# Altium PCB BPod Panel Due.PcbDoc (part 3 of 5) (continued)
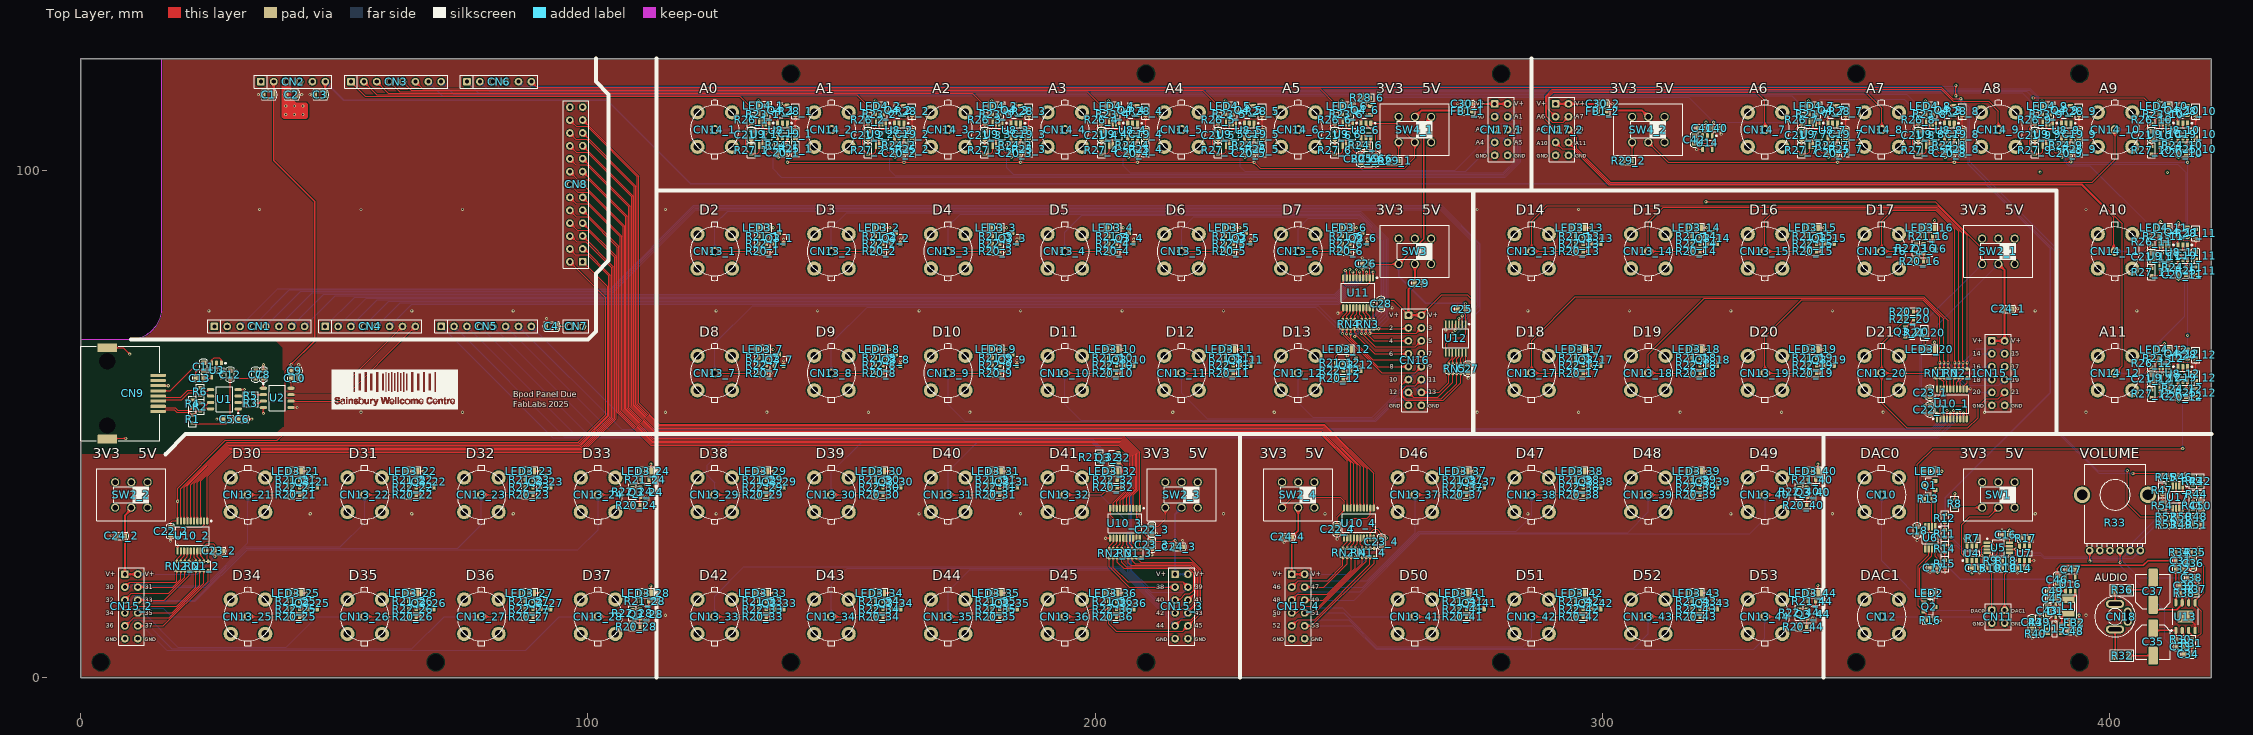
[diagram p0: Top Layer view]
## Nets (pads, with @x,y where several pads share a name; then routed paths per layer and width w, separated by ;. In a path a pad name is that pad's centre, name@x,y a point inside that pad or via, vN(x,y) a via of type N, cw(c..) or ccw(c..) an arc to the next point about the centre after c; other vN are vias at no path point) (continued)
D19: CN5.6 U10_1.4 | length 296.6
  Top Layer w0.152: U10_1.4@367.875,50.975 v1(367.875,52.6)
  Bottom Layer w0.152: CN5.6@83.776,69.198 104.364,48.61 365.14,48.61 367.875,51.345 v1(367.875,52.6)
D20: CN5.7 U10_1.3 | length 292.4
  Top Layer w0.152: U10_1.3@367.225,50.975 v1(367.225,52.1)
  Bottom Layer w0.152: CN5.7@86.316,69.198 106.624,48.89 365.024,48.89 367.225,51.09 v1(367.225,52.1)
D21: CN5.8 U10_1.1 | length 288.8
  Top Layer w0.152: U10_1.1@365.925,50.975 v1(365.925,52.1)
  Bottom Layer w0.152: CN5.8@88.856,69.198 108.885,49.169 364.909,49.169 365.925,50.185 v1(365.925,52.1)
D30: CN8.2 U10_2.9 | length 129.3
  Top Layer w0.152: U10_2.9@19.775,30.85 19.775,37.245 28.884,46.354 98.159,46.354 98.241,46.436 103.549,51.744 103.549,74.825 CN8.2@96.426,81.948
D31: CN8.1 U10_2.8 | length 128.3
  Top Layer w0.152: U10_2.8@20.425,30.85 20.425,37.5 29,46.075 98.275,46.075 98.357,46.157 103.869,51.669 103.869,77.045 CN8.1@98.966,81.948
D32: CN8.4 U10_2.7 | length 133.2
  Top Layer w0.152: U10_2.7@21.075,30.85 21.075,37.755 29.116,45.796 98.391,45.796 98.473,45.877 104.149,51.553 104.149,79.201 99.975,83.375 97.514,83.375 CN8.4@96.426,84.463
D33: CN8.3 U10_2.6 | length 130.9
  Top Layer w0.152: U10_2.6@21.725,30.85 21.725,38.01 29.231,45.516 98.506,45.516 98.588,45.598 98.92,45.93 104.428,51.438 104.428,79.317 99.257,84.488 CN8.3@98.966,84.488
D34: CN8.6 U10_2.5 | length 135.5
  Top Layer w0.152: U10_2.5@22.375,30.85 22.429,30.904 22.429,38.319 29.347,45.237 98.622,45.237 98.704,45.319 98.786,45.4 98.868,45.482 104.707,51.322 104.707,80.768 99.575,85.9 97.789,85.9 96.686,87.003 CN8.6@96.426,87.003
D35: CN8.5 U10_2.4 | length 133.2
  Top Layer w0.152: U10_2.4@23.025,30.85 23.025,38.519 29.463,44.957 98.738,44.957 98.82,45.039 98.902,45.121 98.983,45.203 99.147,45.367 104.987,51.206 104.987,81.007 CN8.5@98.966,87.028
D36: CN8.8 U10_2.3 | length 138
  Top Layer w0.152: U10_2.3@23.675,30.85 23.675,38.774 29.579,44.678 98.854,44.678 98.935,44.76 99.017,44.842 99.099,44.924 99.181,45.005 99.263,45.087 105.266,51.091 105.266,82.873 99.939,88.2 97.909,88.2 96.566,89.543 CN8.8@96.426,89.543
D37: CN8.7 U10_2.1 | length 135.4
  Top Layer w0.152: U10_2.1@24.975,30.85 24.975,39.679 29.694,44.399 98.969,44.399 105.546,50.975 105.546,82.988 CN8.7@98.966,89.568
D38: CN8.10 U10_3.9 | length 161.1
  Top Layer w0.152: CN8.10@96.426,92.083 97.659,90.85 99.829,90.85 105.825,84.854 105.825,52.289 112.343,45.771 204.638,45.771 206.819,43.59 206.819,37.715 203.575,34.471 U10_3.9@203.575,33.35
D39: CN8.9 U10_3.8 | length 158.8
  Top Layer w0.152: CN8.9@98.966,92.108 106.104,84.97 106.104,52.405 112.459,46.05 204.754,46.05 207.099,43.706 207.099,37.599 204.225,34.726 U10_3.8@204.225,33.35
D40: CN8.12 U10_3.7 | length 163.6
  Top Layer w0.152: CN8.12@96.426,94.623 97.674,93.375 99.844,93.375 106.384,86.835 106.384,52.52 112.575,46.329 204.87,46.329 207.378,43.821 207.378,37.484 204.875,34.981 U10_3.7@204.875,33.35
D41: CN8.11 U10_3.6 | length 161.3
  Top Layer w0.152: CN8.11@98.966,94.648 106.663,86.951 106.663,52.636 112.691,46.609 204.986,46.609 207.657,43.937 207.657,37.368 205.525,35.235 U10_3.6@205.525,33.35
D42: CN8.14 U10_3.5 | length 166.1
  Top Layer w0.152: CN8.14@96.426,97.163 97.988,95.601 100.158,95.601 106.943,88.816 106.943,52.752 112.806,46.888 205.101,46.888 207.937,44.053 207.937,37.252 206.175,35.49 U10_3.5@206.175,33.35
D43: CN8.13 U10_3.4 | length 163.7
  Top Layer w0.152: CN8.13@98.966,97.188 107.222,88.932 107.222,52.868 112.922,47.168 205.217,47.168 208.216,44.169 208.216,37.136 206.825,35.745 U10_3.4@206.825,33.35
D44: CN8.16 U10_3.3 | length 168.5
  Top Layer w0.152: CN8.16@96.426,99.703 97.988,98.141 100.158,98.141 107.501,90.797 107.501,52.983 113.038,47.447 205.333,47.447 208.496,44.284 208.496,37.021 207.475,36 U10_3.3@207.475,33.35
D45: CN8.15 U10_3.1 | length 165.9
  Top Layer w0.152: CN8.15@98.966,99.728 107.781,90.913 107.781,53.099 113.153,47.726 205.449,47.726 208.775,44.4 U10_3.1@208.775,33.35
D46: CN8.18 U10_4.9 | length 210.3
  Top Layer w0.152: CN8.18@96.426,102.243 97.644,101.025 99.814,101.025 108.06,92.779 108.06,53.215 113.269,48.006 244.353,48.006 249.675,42.684 U10_4.9@249.675,33.5
D47: CN8.17 U10_4.8 | length 208.3
  Top Layer w0.152: CN8.17@98.966,102.268 108.34,92.894 108.34,53.331 113.385,48.285 244.469,48.285 250.325,42.429 U10_4.8@250.325,33.5
D48: CN8.20 U10_4.7 | length 213.4
  Top Layer w0.152: CN8.20@96.426,104.783 97.659,103.55 99.829,103.55 108.619,94.76 108.619,53.446 113.501,48.565 244.585,48.565 250.975,42.174 U10_4.7@250.975,33.5
D49: CN8.19 U10_4.6 | length 211.3
  Top Layer w0.152: CN8.19@98.966,104.808 108.898,94.876 108.898,53.562 113.616,48.844 244.7,48.844 251.625,41.919 U10_4.6@251.625,33.5
D50: CN8.22 U10_4.5 | length 216.4
  Top Layer w0.152: CN8.22@96.426,107.323 97.624,106.125 99.794,106.125 109.178,96.741 109.178,53.678 113.732,49.123 244.816,49.123 252.275,41.665 U10_4.5@252.275,33.5
D51: CN8.21 U10_4.4 | length 214.4
  Top Layer w0.152: CN8.21@98.966,107.348 109.457,96.857 109.457,53.793 113.848,49.403 244.932,49.403 252.925,41.41 U10_4.4@252.925,33.5
D52: CN8.24 U10_4.3 | length 219.5
  Top Layer w0.152: CN8.24@96.426,109.863 97.664,108.625 99.834,108.625 109.737,98.722 109.737,53.909 113.964,49.682 245.048,49.682 253.575,41.155 U10_4.3@253.575,33.5
D53: CN8.23 U10_4.1 | length 217.8
  Top Layer w0.152: CN8.23@98.966,109.888 110.016,98.838 110.016,54.025 114.079,49.962 245.163,49.962 254.875,40.25 U10_4.1@254.875,33.5
DAC.0: CN6.5 R45.1 R46.2 | length 387.9
  Top Layer w0.152: v1(369.625,114.675) 369.638,114.687 v1(369.638,116.712) ; v1(404.525,40.225) 411.075,40.225 411.504,39.796 411.602,39.796 411.85,39.547 R45.1@411.85,39.45 R46.2@413.35,39.45
  Bottom Layer w0.152: CN6.5@86.316,117.443 87.269,116.49 369.332,116.49 369.555,116.712 v1(369.638,116.712) ; v1(369.625,114.675) 369.695,114.605 369.695,114.295 372.096,111.894 372.096,101.179 389.546,83.729 389.546,48.45 397.771,40.225 v1(404.525,40.225)
DAC.1: CN6.6 R52.1 R53.2 | length 389.6
  Top Layer w0.152: CN6.6@88.856,117.443 89.974,116.325 366.72,116.325 368.962,114.083 v1(370.625,114.083) ; v1(403.425,40.8) 403.425,34.225 406,31.65 R52.1@410.35,31.65 R53.2@410.35,30.15
  Bottom Layer w0.152: CN6.6@88.856,117.443 CN6.6@88.89,117.409 ; v1(370.625,114.083) 372.375,112.333 372.375,101.675 389.825,84.225 389.825,48.566 397.591,40.8 v1(403.425,40.8)
DAC_O1: CN10.1 CN11.1 R10.2 | length 47.4
  Top Layer w0.152: R10.2@375.775,21.525 375.775,21.428 376.705,20.498 CN11.1@376.705,13.27
  Bottom Layer w0.152: CN10.1@355,36 355,22.975 364.705,13.27 CN11.1@376.705,13.27
DAC_O2: CN11.2 CN12.1 R19.2 | length 33.5
  Top Layer w0.152: CN11.2@379.245,13.27 379.245,20.398 380.275,21.428 R19.2@380.275,21.525
  Bottom Layer w0.152: CN12.1@355,12 377.975,12 CN11.2@379.245,13.27
DAC_O.0: R11.2 R33.2 R43.2 U5.3 U17.1 | length 59
  Top Layer w0.152: R11.2@367.481,27.619 v1@368.694,27.619 ; U5.3@375.8,25.25 v1(377.075,25.25) ; v1(414.325,36.475) U17.1@414.325,37.75 414.325,37.801 414.474,37.95 R43.2@416.35,37.95
  Bottom Layer w0.152: v1(368.7,27.613) 371.063,25.25 v1(377.075,25.25) 377.742,24.583 386.237,24.583 387.044,23.776 402.776,23.776 R33.2@404,25 404,26.15 v1(414.325,36.475)
DAC_O.1: R14.2 R33.5 R50.2 U5.5 U17.7 | length 57
  Top Layer w0.152: R14.2@367.481,26.119 v1@368.694,26.119 ; v1(380.2,24.075) U5.5@380.2,24.6 ; U17.7@413.675,33.299 U17.7@413.675,33.35 ; v1(413.675,34.625) U17.7@413.675,33.35 ; R50.2@414.85,31.65 414.85,31.75 414.303,32.297 414.198,32.297 413.824,32.672 413.824,33.201 U17.7@413.675,33.35
  Bottom Layer w0.152: v1(368.7,26.113) 369.738,26.113 371.175,24.675 376.85,24.675 377.45,24.075 v1(380.2,24.075) ; v1@380.311,24.075 386.35,24.075 386.928,23.497 404.497,23.497 R33.5@406,25 406,26.95 v1(413.675,34.625)
GND: C1.1 C2.1 C3.2 C4.1 C9.1 C10.1 C14.1 C15.1 C16.1 C17.1 C18.2 C19_1.1 C19_2.1 C19_3.1 C19_4.1 C19_5.1 C19_6.1 C19_7.1 C19_8.1 C19_9.1 C19_10.1 C19_11.1 C19_12.1 C20_1.1 C20_2.1 C20_3.1 C20_4.1 C20_5.1 C20_6.1 C20_7.1 C20_8.1 C20_9.1 C20_10.1 C20_11.1 C20_12.1 C21_1.2 C21_2.2 C21_3.2 C21_4.2 C21_5.2 C21_6.2 C21_7.2 C21_8.2 C21_9.2 C21_10.2 C21_11.2 C21_12.2 C22_1.1 C22_2.1 C22_3.1 C22_4.1 C23_1.1 C23_2.1 C23_3.1 C23_4.1 C24_1.1 C24_2.1 C24_3.1 C24_4.1 C25.1 C26.1 C27.1 C28.1 C29.1 C30_1.1 C30_2.1 C31.1 C32.1 C36.1 C40.2 C41.2 C45.1 C46.1 C47.1 C48.1 C49.2 C50.1 CN1.2 CN2.4 CN2.5 CN8.25 CN8.26 CN10.2 CN11.3 CN11.4 CN12.2 CN13_1.2 CN13_2.2 CN13_3.2 CN13_4.2 CN13_5.2 CN13_6.2 CN13_7.2 CN13_8.2 CN13_9.2 CN13_10.2 CN13_11.2 CN13_12.2 CN13_13.2 CN13_14.2 CN13_15.2 CN13_16.2 CN13_17.2 CN13_18.2 CN13_19.2 CN13_20.2 CN13_21.2 CN13_22.2 CN13_23.2 CN13_24.2 CN13_25.2 CN13_26.2 CN13_27.2 CN13_28.2 CN13_29.2 CN13_30.2 CN13_31.2 CN13_32.2 CN13_33.2 CN13_34.2 CN13_35.2 CN13_36.2 CN13_37.2 CN13_38.2 CN13_39.2 CN13_40.2 CN13_41.2 CN13_42.2 CN13_43.2 CN13_44.2 CN14_1.2 CN14_2.2 CN14_3.2 CN14_4.2 CN14_5.2 CN14_6.2 CN14_7.2 CN14_8.2 CN14_9.2 CN14_10.2 CN14_11.2 CN14_12.2 CN15_1.11 CN15_1.12 CN15_2.11 CN15_2.12 CN15_3.11 CN15_3.12 CN15_4.11 CN15_4.12 CN16.15 CN16.16 CN17_1.9 CN17_1.10 CN17_2.9 CN17_2.10 CN18.1 D1.2 Q3_1.2 Q3_2.2 Q3_3.2 Q3_4.2 Q3_5.2 Q3_6.2 Q3_7.2 Q3_8.2 Q3_9.2 Q3_10.2 Q3_11.2 Q3_12.2 Q3_13.2 Q3_14.2 Q3_15.2 Q3_16.2 Q3_17.2 Q3_18.2 Q3_19.2 Q3_20.2 Q3_21.2 Q3_22.2 Q3_23.2 Q3_24.2 Q3_25.2 Q3_26.2 Q3_27.2 Q3_28.2 Q3_29.2 Q3_30.2 Q3_31.2 Q3_32.2 Q3_33.2 Q3_34.2 Q3_35.2 Q3_36.2 Q3_37.2 Q3_38.2 Q3_39.2 Q3_40.2 Q3_41.2 Q3_42.2 Q3_43.2 Q3_44.2 R7.2 R12.1 R13.1 R15.1 R16.1 R17.2 R20_1.1 R20_2.1 R20_3.1 R20_4.1 R20_5.1 R20_6.1 R20_7.1 R20_8.1 R20_9.1 R20_10.1 R20_11.1 R20_12.1 R20_13.1 R20_14.1 R20_15.1 R20_16.1 R20_17.1 R20_18.1 R20_19.1 R20_20.1 R20_21.1 R20_22.1 R20_23.1 R20_24.1 R20_25.1 R20_26.1 R20_27.1 R20_28.1 R20_29.1 R20_30.1 R20_31.1 R20_32.1 R20_33.1 R20_34.1 R20_35.1 R20_36.1 R20_37.1 R20_38.1 R20_39.1 R20_40.1 R20_41.1 R20_42.1 R20_43.1 R20_44.1 R25_1.1 R25_2.1 R25_3.1 R25_4.1 R25_5.1 R25_6.1 R25_7.1 R25_8.1 R25_9.1 R25_10.1 R25_11.1 R25_12.1 R27_1.1 R27_2.1 R27_3.1 R27_4.1 R27_5.1 R27_6.1 R27_7.1 R27_8.1 R27_9.1 R27_10.1 R27_11.1 R27_12.1 R28_1.1 R28_2.1 R28_3.1 R28_4.1 R28_5.1 R28_6.1 R28_7.1 R28_8.1 R28_9.1 R28_10.1 R28_11.1 R28_12.1 R33.1 R33.4 R35.1 R40.1 R44.1 R46.1 R47.1 R51.1 R53.1 R54.1 SW1.1 SW1.4 SW1.5 SW1.6 SW2_1.4 SW2_1.5 SW2_1.6 SW2_2.4 SW2_2.5 SW2_2.6 SW2_3.4 SW2_3.5 SW2_3.6 SW2_4.4 SW2_4.5 SW2_4.6 SW3.4 SW3.5 SW3.6 SW4_1.1 SW4_2.1 U2.5 U4.3 U5.4 U7.3 U8_1.3 U8_2.3 U8_3.3 U8_4.3 U8_5.3 U8_6.3 U8_7.3 U8_8.3 U8_9.3 U8_10.3 U8_11.3 U8_12.3 U10_1.11 U10_2.11 U10_3.11 U10_4.11 U11.11 U12.7 U13.4 U14.4 U15.2 U16.2 U17.4 | length 257.7
  Top Layer w0.152: v1(6.03,27.9) C24_2.1@7.23,27.9 ; v1(17.75,26.875) C22_2.1@17.75,28.075 ; U10_2.11@19.125,24.95 v1(19.125,26.15) ; v1(27.975,23.75) C23_2.1@27.975,24.95 ; v1(35.056,114.875) C1.1@36.056,114.875 ; U2.5@41.475,53.205 v1(42.675,53.205) ; C2.1@42.596,114.875 v1(43.596,114.875) ; C10.1@43,58.95 C9.1@43,60.45 v1(43,61.65) ; R20_25.1@43.175,12 v1(44.075,12) ; R20_21.1@43.175,36 v1(44.075,36) ; v1(45.216,114.875) C3.2@46.216,114.875 ; Q3_25.2@46.575,13.525 v1(46.575,14.425) ; Q3_21.2@46.575,37.525 v1(46.575,38.425) ; R20_26.1@66.175,12 v1(67.075,12) ; R20_22.1@66.175,36 v1(67.075,36) ; Q3_26.2@69.575,13.525 v1(69.575,14.425) ; Q3_22.2@69.575,37.525 v1(69.575,38.425) ; R20_27.1@89.175,12 v1(90.075,12) ; R20_23.1@89.175,36 v1(90.075,36) ; C4.1@91.825,69.198 91.85,69.223 v1(91.85,70.725) ; Q3_27.2@92.575,13.525 v1(92.575,14.425) ; Q3_23.2@92.575,37.525 v1(92.575,38.425) ; R20_28.1@110.25,10 110.25,11.575 Q3_28.2@110.275,11.6 v1(111.375,11.6) ; R20_24.1@110.25,34 110.25,35.575 Q3_24.2@110.275,35.6 v1(111.375,35.6) ; R27_1.1@132.2,104.7 v1(132.2,105.4) C21_1.2@132.2,106.2 ; R20_33.1@135.175,12 v1(136.075,12) ; R20_29.1@135.175,36 v1(136.075,36) ; R20_7.1@135.175,60.002 136.173,60.002 v1@136.175,60 ; R20_1.1@135.175,84 v1@136.173,84 ; v1(137,110.575) 137.4,110.175 U8_1.3@137.4,109.275 ; Q3_33.2@138.575,13.525 v1(138.575,14.425) ; Q3_29.2@138.575,37.525 v1(138.575,38.425) ; Q3_7.2@138.575,61.525 v1(138.575,62.425) ; Q3_1.2@138.575,85.525 v1(138.575,86.425) ; C20_1.1@139.025,103.4 v1(139.963,103.4) R25_1.1@140.9,103.4 ; C19_1.1@140.9,108.225 v1(140.9,110.075) R28_1.1@140.9,110.85 ; R27_2.1@155.2,104.7 v1(155.2,105.4) C21_2.2@155.2,106.175 C21_2.2@155.2,106.2 ; R20_2.1@158.14,84 v1@159.138,84 ; R20_34.1@158.175,12 v1(159.075,12) ; R20_30.1@158.175,36 v1(159.075,36) ; R20_8.1@158.175,60.002 v1@159.173,60.002 ; v1(160,110.575) 160.4,110.175 U8_2.3@160.4,109.275 ; Q3_34.2@161.575,13.525 v1(161.575,14.425) ; Q3_30.2@161.575,37.525 v1(161.575,38.425) ; Q3_8.2@161.575,61.525 v1(161.575,62.425) ; Q3_2.2@161.575,85.525 v1(161.575,86.425) ; C20_2.1@162.025,103.4 v1(162.963,103.4) R25_2.1@163.9,103.4 ; C19_2.1@163.9,108.225 v1(163.9,110.075) R28_2.1@163.9,110.825 R28_2.1@163.9,110.85 ; R27_3.1@178.2,104.7 v1(178.2,105.4) C21_3.2@178.2,106.175 C21_3.2@178.2,106.2 ; R20_35.1@181.175,12 v1(182.075,12) ; R20_31.1@181.175,36 v1(182.075,36) ; R20_9.1@181.175,60.002 v1@182.173,60.002 ; R20_3.1@181.175,84 v1@182.173,84 ; v1(183,110.575) 183.4,110.175 U8_3.3@183.4,109.275 ; Q3_35.2@184.575,13.525 v1(184.575,14.425) ; Q3_31.2@184.575,37.525 v1(184.575,38.425) ; Q3_9.2@184.575,61.525 v1(184.575,62.425) ; Q3_3.2@184.575,85.525 v1(184.575,86.425) ; C20_3.1@185.025,103.4 v1(185.963,103.4) R25_3.1@186.9,103.4 ; C19_3.1@186.9,108.225 v1(186.9,110.075) R28_3.1@186.9,110.825 R28_3.1@186.9,110.85 ; R27_4.1@201.2,104.7 v1(201.2,105.4) C21_4.2@201.2,106.175 C21_4.2@201.2,106.2 ; v1(202.025,27.45) U10_3.11@202.925,27.45 ; R20_36.1@204.175,12 v1(205.075,12) ; R20_10.1@204.175,60.002 v1@205.173,60.002 ; R20_4.1@204.175,84 v1@205.173,84 ; R20_32.1@204.325,37.5 v1(205.225,37.5) ; v1(206,110.575) 206.4,110.175 U8_4.3@206.4,109.275 ; Q3_36.2@207.575,13.525 v1(207.575,14.425) ; Q3_10.2@207.575,61.525 v1(207.575,62.425) ; Q3_4.2@207.575,85.525 v1(207.575,86.425) ; C20_4.1@208.025,103.4 v1(208.963,103.4) R25_4.1@209.9,103.4 ; C19_4.1@209.9,108.225 v1(209.9,110.075) R28_4.1@209.9,110.825 R28_4.1@209.9,110.85 ; v1(211.15,24.2) C23_3.1@211.15,25.4 ; C22_3.1@211.15,28.4 v1(212.05,28.4) ; C24_3.1@217.225,25.775 v1(217.225,26.975) ; R27_5.1@224.2,104.7 v1(224.2,105.4) C21_5.2@224.2,106.175 C21_5.2@224.2,106.2 ; R20_11.1@227.175,60.002 v1@228.173,60.002 ; R20_5.1@227.175,84 v1@228.173,84 ; v1(229,110.575) 229.4,110.175 U8_5.3@229.4,109.275 ; Q3_11.2@230.575,61.525 v1(230.575,62.425) ; Q3_5.2@230.575,85.525 v1(230.575,86.425) ; C20_5.1@231.025,103.4 v1(231.963,103.4) R25_5.1@232.9,103.4 ; C19_5.1@232.9,108.225 v1(232.9,110.075) R28_5.1@232.9,110.825 R28_5.1@232.9,110.85 ; v1(237.23,26.6) C24_4.1@237.23,27.725 ; R27_6.1@247.2,104.7 v1(247.2,105.4) C21_6.2@247.2,106.175 C21_6.2@247.2,106.2 ; v1(247.65,27.3) C22_4.1@247.65,28.5 248.8,28.5 249.007,28.293 249.007,27.518 U10_4.11@249.025,27.5 ; v1(247.825,71.8) 247.883,71.858 248.358,71.858 248.9,72.4 U11.11@248.9,72.875 ; R20_12.1@248.9,59 v1@249.898,59 ; R20_6.1@250.175,84 v1@251.173,84 ; 251.6,113.825 252.05,114.275 R28_6.1@252.75,114.275 R28_6.1@252.775,114.275 ; v1(252,110.575) 252.4,110.175 U8_6.3@252.4,109.275 ; Q3_12.2@252.3,60.525 v1(252.3,61.425) ; C20_6.1@252.3,101.45 R25_6.1@253.8,101.45 C19_6.1@255.3,101.45 v1(256.3,101.45) ; C26.1@252.6,81.55 252.625,81.575 v1(252.625,82.7) ; Q3_6.2@253.575,85.525 v1(253.575,86.425) ; v1(256.4,24.8) C23_4.1@256.4,26 ; C28.1@256.45,72.805 256.52,72.875 v1(258.5,72.875) ; v1(269.075,68.525) U12.7@269.075,69.65 ; v1(270.35,72.625) C25.1@271.475,72.625 ; v1(271.425,113.075) C30_1.1@272.625,113.075 ; R20_41.1@273.175,12 v1(274.075,12) ; R20_37.1@273.175,36 v1(274.075,36) ; v1(273.475,59) C27.1@273.475,60.125 ; Q3_41.2@276.575,13.525 v1(276.575,14.425) ; Q3_37.2@276.575,37.525 v1(276.575,38.425) ; R20_42.1@296.175,12 v1(297.075,12) ; R20_38.1@296.175,36 v1(297.075,36) ; R20_17.1@296.175,60.002 v1@297.173,60.002 ; R20_13.1@296.175,84.002 v1@297.173,84.002 ; Q3_42.2@299.575,13.525 v1(299.575,14.425) ; Q3_38.2@299.575,37.525 v1(299.575,38.425) ; Q3_17.2@299.575,61.525 v1(299.575,62.425) ; Q3_13.2@299.575,85.525 v1(299.575,86.425) ; C30_2.1@300.725,113.08 v1(301.925,113.08) ; v1(317.7,108.275) C41.2@318.875,108.275 ; v1(318.525,104.075) U14.4@319.7,104.075 ; R20_43.1@319.175,12 v1(320.075,12) ; R20_39.1@319.175,36 v1(320.075,36) ; R20_18.1@319.175,60.002 v1@320.173,60.002 ; R20_14.1@319.175,84.002 v1@320.173,84.002 ; Q3_43.2@322.575,13.525 v1(322.575,14.425) ; Q3_39.2@322.575,37.525 v1(322.575,38.425) ; Q3_18.2@322.575,61.525 v1(322.575,62.425) ; Q3_14.2@322.575,85.525 v1(322.575,86.425) ; v1(323.375,107.1) C40.2@323.375,108.275 ; R27_7.1@339.2,104.7 v1(339.2,105.4) C21_7.2@339.2,106.175 C21_7.2@339.2,106.2 ; R20_44.1@340.25,10.1 340.25,11.675 340.275,11.7 v1(341.375,11.7) ; R20_40.1@340.25,34 340.25,35.575 Q3_40.2@340.275,35.6 v1(341.375,35.6) ; R20_19.1@342.175,60.002 v1@343.173,60.002 ; R20_15.1@342.175,84.002 v1@343.173,84.002 ; v1(344,110.575) 344.4,110.175 U8_7.3@344.4,109.275 ; Q3_19.2@345.575,61.525 v1(345.575,62.425) ; Q3_15.2@345.575,85.525 v1(345.575,86.425) ; C20_7.1@346.025,103.4 v1(346.963,103.4) R25_7.1@347.9,103.4 ; C19_7.1@347.9,108.225 v1(347.9,110.075) R28_7.1@347.9,110.825 R28_7.1@347.9,110.85 ; Q3_20.2@359.7,67.225 v1(360.8,67.225) ; R20_20.1@361.275,72.125 v1(362.375,72.125) ; v1(361.994,27.006) 362,27.012 C18.2@362,28.225 C18.2@362.006,28.231 ; R27_8.1@362.2,104.7 v1(362.2,105.4) C21_8.2@362.2,106.175 C21_8.2@362.2,106.2 ; v1(362.606,35.256) 362.613,35.25 363.406,35.25 R13.1@363.413,35.244 ; R20_16.1@363.25,82 363.25,83.575 Q3_16.2@363.275,83.6 v1(364.375,83.6) ; v1(363.45,52.075) C22_1.1@364.55,52.075 ; v1(363.45,56.875) C23_1.1@364.55,56.875 ; C17.1@364.475,21.625 364.5,21.6 v1(364.5,20.7) ; R16.1@365.319,11.281 R16.1@365.325,11.275 366.538,11.275 v1(366.544,11.269) ; v1(366.256,32.131) 366.263,32.125 R12.1@367.475,32.125 R12.1@367.481,32.119 ; v1(367,110.575) 367.4,110.175 U8_8.3@367.4,109.275 ; v1(367.475,20.725) R15.1@367.475,21.625 ; C20_8.1@369.025,103.4 v1(369.963,103.4) R25_8.1@370.9,103.4 ; v1(370.638,110.075) v1@370.9,110.075 ; C19_8.1@370.9,108.225 v1@370.9,110.075 ; R28_8.1@370.9,110.825 v1@370.9,110.075 ; v1(371.325,27.425) R7.2@372.225,27.425 ; U10_1.11@371.775,56.875 v1(372.425,56.875) ; U4.3@373.725,23.05 373.725,22.12 374.275,21.57 C15.1@374.275,21.525 v1(374.275,20.625) ; U5.4@375.8,24.6 376.26,24.6 376.409,24.451 376.409,23.966 v1(376.45,23.925) ; C16.1@378.7,28.125 v1(378.7,29.025) ; C24_1.1@380.745,72.657 v1(381.845,72.657) ; v1(381.7,27.425) R17.2@382.6,27.425 ; v1(381.775,20.625) C14.1@381.775,21.525 ; U7.3@384.1,23.05 v1(385,23.05) ; v1(384.65,7.75) R40.1@384.65,8.65 ; R27_9.1@385.2,104.7 v1(385.2,105.4) C21_9.2@385.2,106.175 C21_9.2@385.2,106.2 ; U15.2@387.658,9.6 v1(388.558,9.6) ; C45.1@387.95,15.55 v1(387.95,18.5) 389.6,18.5 C46.1@389.65,18.55 ; v1(389.3,11.075) D1.2@389.3,11.975 ; v1(390,110.575) 390.4,110.175 U8_9.3@390.4,109.275 ; v1(390.625,21.3) 391.6,21.3 C47.1@391.65,21.25 ; C20_9.1@392.025,103.4 v1(392.963,103.4) R25_9.1@393.9,103.4 ; U16.2@392.2,17.05 v1(392.2,17.95) ; v1(393.525,8.25) C48.1@393.525,9.15 ; C19_9.1@393.9,108.225 v1(393.9,110.075) R28_9.1@393.9,110.825 R28_9.1@393.9,110.85 ; R27_12.1@408.2,56.7 v1(408.2,57.4) C21_12.2@408.2,58.175 C21_12.2@408.2,58.2 ; R27_11.1@408.2,80.7 v1(408.2,81.4) C21_11.2@408.2,82.175 C21_11.2@408.2,82.2 ; R27_10.1@408.2,104.7 v1(408.2,105.4) C21_10.2@408.2,106.175 C21_10.2@408.2,106.2 ; R54.1@410.35,34.65 R47.1@410.35,36.15 v1(410.35,35.375) v1@410.375,35.35 ; v1@411.575,37.725 v1(411.6,37.75) U17.4@412.375,37.75 ; R53.1@411.85,30.15 v1(411.85,29.375) v1@411.875,29.35 ; v1(413,62.575) 413.4,62.175 U8_12.3@413.4,61.275 ; v1(413,86.575) 413.4,86.175 U8_11.3@413.4,85.275 ; v1(413,110.575) 413.4,110.175 U8_10.3@413.4,109.275 ; v1@414.825,40.25 v1(414.85,40.225) R46.1@414.85,39.45 ; C31.1@414.97,23.025 414.97,22.681 414.697,22.408 414.633,22.408 414.525,22.3 C32.1@414.525,21.325 414.575,21.375 v1(415.45,21.375) 416.045,21.375 C36.1@416.395,21.725 ; C20_12.1@415.025,55.4 v1(415.963,55.4) R25_12.1@416.9,55.4 ; C20_11.1@415.025,79.4 v1(415.963,79.4) R25_11.1@416.9,79.4 ; C20_10.1@415.025,103.4 v1(415.963,103.4) R25_10.1@416.9,103.4 ; v2(415.975,11.45) 415.975,11.245 416.78,10.44 U13.4@416.78,9.275 ; C19_12.1@416.9,60.225 v1(416.9,62.075) R28_12.1@416.9,62.825 R28_12.1@416.9,62.85 ; C19_11.1@416.9,84.225 v1(416.9,86.075) R28_11.1@416.9,86.825 R28_11.1@416.9,86.85 ; C19_10.1@416.9,107.875 v1(416.9,110.075) R28_10.1@416.9,110.825 R28_10.1@416.9,110.85 ; R35.1@417.525,24.725 v1(417.525,25.625) ; R51.1@417.85,30.15 v1(417.85,29.375) v1@417.875,29.35 ; R44.1@417.85,36.15 C50.1@417.85,34.65 v1(418.625,34.65) v1@418.65,34.675
  other v1: 115.275,12.275 235.275,12.275 395.275,12.275 45.275,32.275 65.275,32.275 85.275,32.275 125.275,32.275 165.275,32.275 185.275,32.275 225.275,32.275 245.275,32.275 285.275,32.275 325.275,32.275 345.275,32.275 385.275,32.275 55.275,52.275 75.275,52.275 115.275,52.275 135.275,52.275 155.275,52.275 175.275,52.275 215.275,52.275 235.275,52.275 275.275,52.275 295.275,52.275 315.275,52.275 335.275,52.275 355.275,52.275 375.275,52.275 395.275,52.275 249.87,59.01 136.145,60.013 159.145,60.013 182.145,60.013 205.145,60.013 228.145,60.013 297.145,60.013 320.145,60.013 343.145,60.013 25.275,72.275 65.275,72.275 85.275,72.275 125.275,72.275 145.275,72.275 165.275,72.275 185.275,72.275 205.275,72.275 225.275,72.275 285.275,72.275 305.275,72.275 325.275,72.275 345.275,72.275 385.275,72.275 405.275,72.275 136.145,84.01 159.11,84.01 182.145,84.01 205.145,84.01 228.145,84.01 251.145,84.01 297.145,84.013 320.145,84.013 343.145,84.013 35.275,92.275 55.275,92.275 75.275,92.275 115.275,92.275 275.275,92.275 295.275,92.275 375.275,92.275 395.275,92.275
  other v2: 413.775,11.45 414.875,11.45 413.775,12.55 414.875,12.55 415.975,12.55
NetC13_2: C13.2 U3.4 | length 1.7
  Top Layer w0.152: C13.2@24.25,59.025 25.656,59.025 25.85,59.219 U3.4@25.85,59.25
NetC33_1: C33.1 R30.1 R31.2 U13.2 | length 4.9
  Top Layer w0.152: U13.2@414.24,9.275 414.24,8.85 414.65,8.44 R30.1@414.65,7.55 ; C33.1@414.65,6.05 R30.1@414.65,7.55 ; R31.2@416.15,7.55 R30.1@414.65,7.55
NetC33_2: C33.2 C35.1 R30.2 U13.1 | length 7.9
  Top Layer w0.254: C35.1@408.5,9.675 408.9,9.275 U13.1@412.97,9.275 412.97,6.23 C33.2@413.15,6.05
NetC34_1: C34.1 R33.3 | length 26.2
  Top Layer w0.152: R33.3@402,25 402.006,24.994 402.006,22.715 v1(402.013,22.709) ; v1(413.75,4.55) C34.1@414.65,4.55
  Bottom Layer w0.152: v1(402.013,22.709) 402.025,22.697 402.025,22.158 402.083,22.1 402.083,21.892 410.8,13.175 410.8,7.5 v1(413.75,4.55)
NetC34_2: C34.2 R31.1 | length 1.5
  Top Layer w0.152: C34.2@416.15,4.55 R31.1@416.15,6.05
NetC35_2: C35.2 R32.1 | length 4.7
  Top Layer w0.254: R32.1@403.8,4.325 C35.2@408.5,4.325
NetC36_2: C36.2 R34.1 R35.2 U13.3 U13.5 | length 23.8
  Top Layer w0.152: R34.1@414.525,24.725 R35.2@416.025,24.725 416.025,23.596 416.396,23.225 417.1,23.225 418.45,21.875 418.45,16.82 416.78,15.15 416.78,14.245 417.975,13.05 417.975,8.75 417.425,8.2 416.281,8.2 415.792,8.689 415.51,8.971 U13.3@415.51,9.7
NetC37_1: C37.1 C39.2 R38.2 U13.7 | length 10.6
  Top Layer w0.254: C37.1@408.5,14.325 408.5,14.162 409.337,13.325 413.171,13.325 414.24,14.394 414.24,16.187 414.148,16.279 414.123,16.279 413.875,16.528 C39.2@413.875,18.125
NetC37_2: C37.2 R36.1 | length 6.2
  Top Layer w0.254: R36.1@403.8,17.275 406.975,17.275 408.5,18.8 C37.2@408.5,19.675
NetC38_1: C38.1 R33.6 | length 23
  Top Layer w0.152: R33.6@396,25 396.017,24.984 396.017,22.949 v1(396.033,22.933) ; v1(414.475,19.625) C38.1@415.375,19.625
  Bottom Layer w0.152: v1(396.033,22.933) 396.118,23.018 399.133,23.018 399.332,23.217 402.223,23.217 405.815,19.625 v1(414.475,19.625)
NetC38_2: C38.2 R37.1 | length 1.5
  Top Layer w0.152: R37.1@416.875,18.125 C38.2@416.875,19.625
NetC39_1: C39.1 R37.2 R38.1 U13.6 | length 5
  Top Layer w0.152: R38.1@415.375,16.625 R37.2@416.875,16.625 ; C39.1@415.375,18.125 415.51,17.99 U13.6@415.51,14.725
NetC42_1: C42.1 U14.5 | length 4.1
  Top Layer w0.152: C42.1@318.1,105.275 320.65,105.275 321.6,104.325 U14.5@321.6,104.075
NetC42_2: C42.2 U14.3 | length 1.6
  Top Layer w0.152: C42.2@318.1,106.775 U14.3@319.7,106.775
NetC43_1: C43.1 D1.1 L1.1 U15.6 | length 7.4
  Top Layer w0.305: C43.1@387.65,13.9 387.8,14.05 D1.1@389.3,14.05 ; D1.1@389.3,14.225 D1.1@389.3,14.05 ; U15.6@390.508,10.55 390.508,11.911 L1.1@391.247,12.65 ; L1.1@391.8,12.65 L1.1@391.247,12.65 ; D1.1@389.3,14.05 389.398,13.952 389.944,13.952 390.709,13.188 390.709,13.147 391.205,12.65 L1.1@391.247,12.65
NetC43_2: C43.2 U15.1 | length 1.8
  Top Layer w0.152: U15.1@387.658,10.55 C43.2@387.658,12.317